# Altium PCB Hydro_USBL_PCB.PcbDoc (part 2 of 2) (continued)
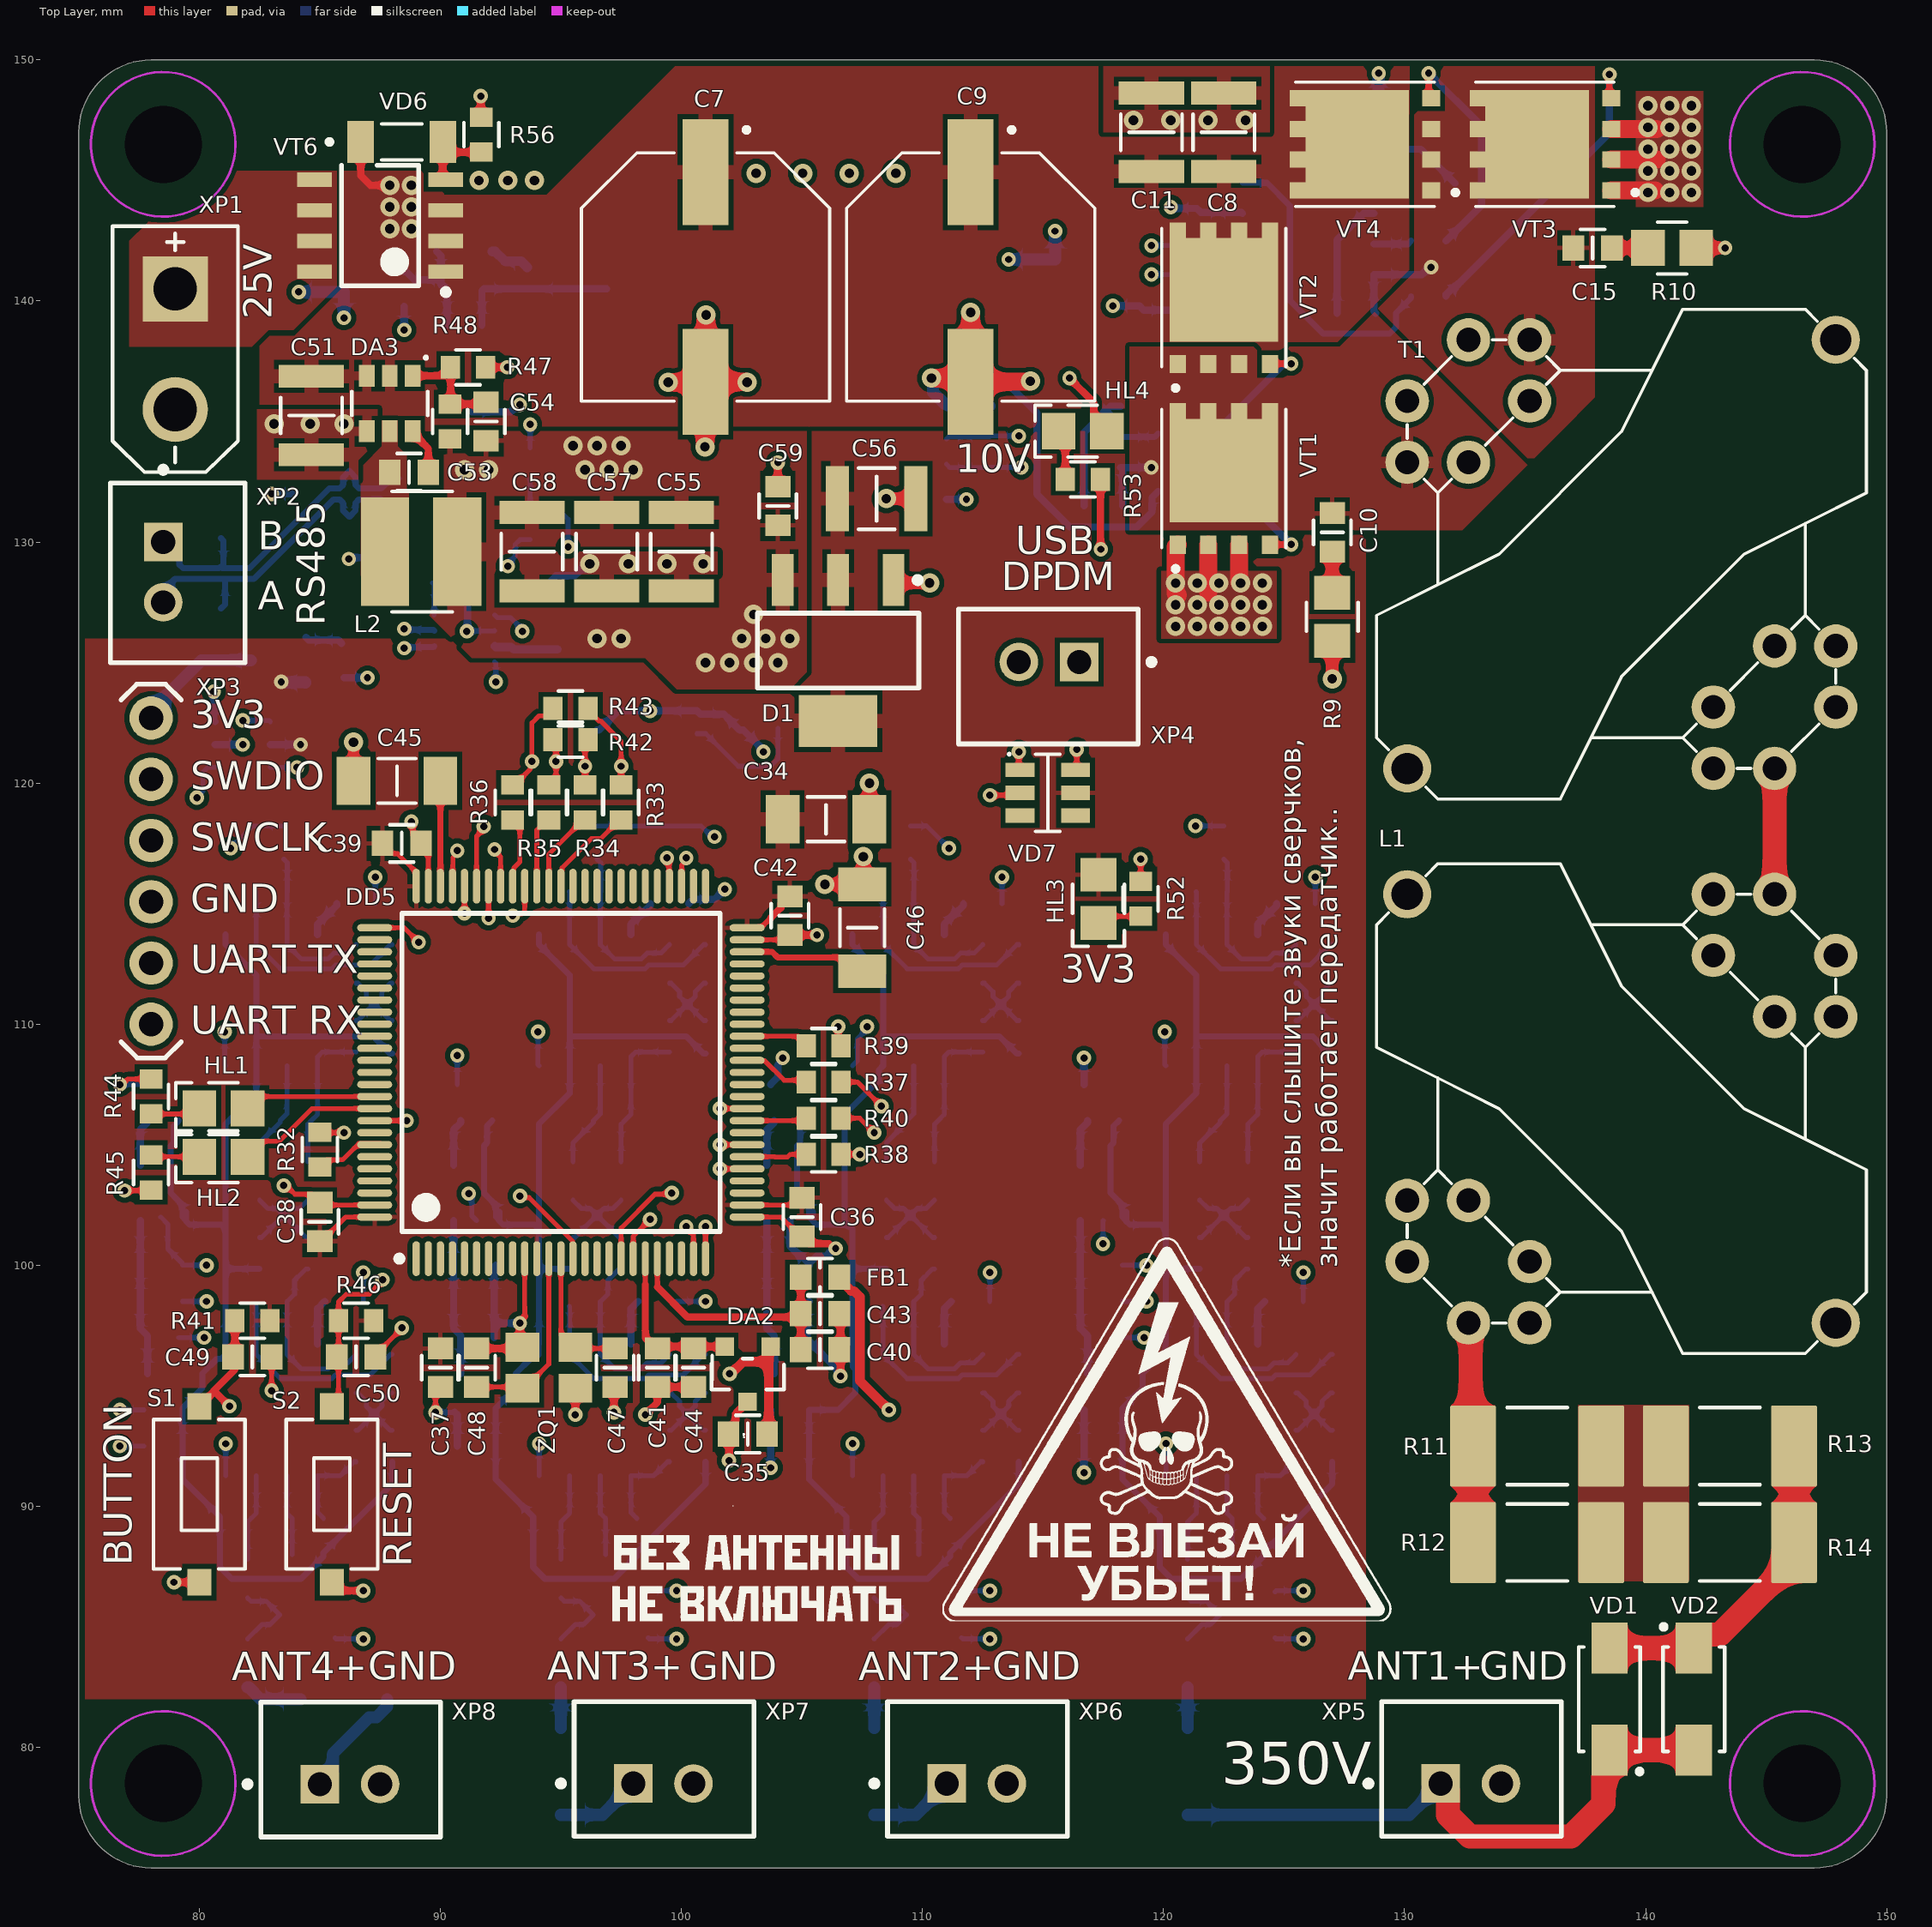
[diagram p0: Top Layer view]
## Nets (pads, with @x,y where several pads share a name; then routed paths per layer and width w, separated by ;. In a path a pad name is that pad's centre, name@x,y a point inside that pad or via, vN(x,y) a via of type N, cw(c..) or ccw(c..) an arc to the next point about the centre after c; other vN are vias at no path point) (continued)
NetC33B_2: C33B.2 DD4B.6 R30B.1 | length 8.7
  Bottom Layer w0.2: R30B.1@108.35,115.5 108.365,115.485 DD4B.6@108.365,113.725 108.365,113.3 109.365,112.3 111.495,112.3 111.645,112.45 113.075,112.45 113.925,113.3 C33B.2@114,113.3
NetC33C_2: C33C.2 DD4C.6 R30C.1 | length 8.7
  Bottom Layer w0.2: R30C.1@95.35,115.5 95.365,115.485 DD4C.6@95.365,113.725 95.365,113.3 96.365,112.3 98.495,112.3 98.645,112.45 100.075,112.45 100.925,113.3 C33C.2@101,113.3
NetC33D_2: C33D.2 DD4D.6 R30D.1 | length 8.7
  Bottom Layer w0.2: R30D.1@82.35,115.5 82.365,115.485 DD4D.6@82.365,113.725 82.365,113.3 83.365,112.3 85.495,112.3 85.645,112.45 87.075,112.45 87.925,113.3 C33D.2@88,113.3
NetC40_2: C40.2 C43.2 DD5.21 FB1.2 | length 10.7
  Top Layer w0.2: 99,99.1 DD5.21@99,100.275
  Top Layer w0.3: 99,99.1 100.25,97.85 104.8,97.85 C43.2@104.95,98 ; C40.2@104.95,96.5 104.95,97.85 C43.2@104.95,98 ; FB1.2@104.95,99.5 C43.2@104.95,98
NetC45_2: C45.2 DD5.73 | length 4.2
  Top Layer w0.25: DD5.73@90,115.725 C45.2@90,119.9
NetC46_2: C46.2 DD5.48 | length 5.1
  Top Layer w0.25: DD5.48@102.725,113 103.765,113 103.99,112.775 106.925,112.775 C46.2@107.5,112.2
NetC47_2: C47.2 DD5.13 ZQ1.1 | length 5.7
  Top Layer w0.2: DD5.13@95,100.275 95,97.1 95.5,96.6 ZQ1.1@95.6,96.6 95.65,96.55 C47.2@97.25,96.55
NetC48_2: C48.2 DD5.12 ZQ1.3 | length 7.8
  Top Layer w0.2: C48.2@91.5,94.95 93.45,94.95 93.5,94.9 94.5,95.9 DD5.12@94.5,100.275
NetC53_1: C53.1 DA3.6 | length 2
  Top Layer w0.3: DA3.6@88.85,134.6 88.85,134.472 89.023,134.3 89.075,134.3 89.5,133.875 C53.1@89.5,132.9
NetC53_2: C53.2 DA3.5 L2.1
NetC54_1: C54.1 DA3.1 R47.2 R48.1 | length 4.8
  Top Layer w0.3: DA3.1@88.85,136.9 90.15,136.9 90.425,137.175 R47.2@90.425,137.25 90.425,135.75 R48.1@90.4,135.725 91.825,135.725 C54.1@91.9,135.8
NetC61_1: C61.1 DA4.6 | length 1.7
  Bottom Layer w0.4: DA4.6@92.15,142.05 92.278,142.05 92.678,141.65 93.35,141.65 C61.1@93.6,141.4
NetC61_2: C61.2 DA4.5 L3.1
NetC62_1: C62.1 DA4.1 R50.2 R51.2 | length 5.3
  Bottom Layer w0.3: R50.2@88.5,141.225 88.575,141.225 88.925,140.875 89.9,140.875 90.2,140.575 C62.1@90.2,140.5 ; DA4.1@89.85,142.05 90.023,141.877 90.023,140.677 C62.1@90.2,140.5 ; R51.2@90.275,139 90.275,140.425 C62.1@90.2,140.5
NetDA1A_4: DA1A.4 R23A.1 | length 2
  Bottom Layer w0.3: DA1A.4@116.55,104.145 116.55,105.625 116.85,105.925 R23A.1@116.85,106
NetDA1B_4: DA1B.4 R23B.1 | length 2
  Bottom Layer w0.3: DA1B.4@103.55,104.145 103.55,105.625 103.85,105.925 R23B.1@103.85,106
NetDA1C_4: DA1C.4 R23C.1 | length 2
  Bottom Layer w0.3: DA1C.4@90.55,104.145 90.55,105.625 90.85,105.925 R23C.1@90.85,106
NetDA1D_4: DA1D.4 R23D.1 | length 2
  Bottom Layer w0.3: DA1D.4@77.55,104.145 77.55,105.625 77.85,105.925 R23D.1@77.85,106
NetDA5_3: DA5.3 R49.1 | length 5.3
  Bottom Layer w0.2: DA5.3@100.645,122.05 101.01,122.05 102.36,120.7 103.7,120.7 104,121 R49.1@104,122.275
NetDD1_3: DD1.3 R5.1 | length 1.6
  Bottom Layer w0.25: DD1.3@118.225,134.365 119.64,134.365 R5.1@119.775,134.5
NetDD1_8: DD1.8 R6.1 | length 12.5
  Bottom Layer w0.3: DD1.8@112.775,136.905 113.2,136.905 113.725,136.38 113.725,136.364 114.164,135.925 114.18,135.925 114.75,135.355 114.75,131.98 116.105,130.625 118.895,130.625 119.525,131.255 119.525,131.85 R6.1@119.775,132.1
NetDD2_3: DD2.3 R7.1 | length 1.6
  Bottom Layer w0.25: R7.1@130.14,142.365 R7.1@130.275,142.5
  Bottom Layer w0.3: DD2.3@128.725,142.365 R7.1@130.14,142.365
NetDD2_8: DD2.8 R8.1 | length 12.9
  Bottom Layer w0.25: DD2.8@123.275,144.905 124.295,144.905 125.245,143.955 125.245,140.02 126.615,138.65 129.385,138.65 129.646,138.912 129.646,139.496 130.275,140.125 R8.1@130.275,140.2
NetDD3A_1: DD3A.1 R20A.2 R22A.1 | length 3.7
  Bottom Layer w0.2: R20A.2@124.15,89.5 123.905,89.745 DD3A.1@123.905,91.275 124.85,91.275 125.425,91.85 R22A.1@125.5,91.85
NetDD3A_2: DD3A.2 R16A.2 R20A.1 | length 3.4
  Bottom Layer w0.2: DD3A.2@122.635,91.275 122.635,89.715 122.85,89.5 R16A.2@122.85,88
NetDD3B_1: DD3B.1 R20B.2 R22B.1 | length 3.7
  Bottom Layer w0.2: R20B.2@111.15,89.5 110.905,89.745 DD3B.1@110.905,91.275 111.85,91.275 112.425,91.85 R22B.1@112.5,91.85
NetDD3B_2: DD3B.2 R16B.2 R20B.1 | length 3.4
  Bottom Layer w0.2: DD3B.2@109.635,91.275 109.635,89.715 109.85,89.5 R16B.2@109.85,88
NetDD3C_1: DD3C.1 R20C.2 R22C.1 | length 3.7
  Bottom Layer w0.2: R20C.2@98.15,89.5 97.905,89.745 DD3C.1@97.905,91.275 98.85,91.275 99.425,91.85 R22C.1@99.5,91.85
NetDD3C_2: DD3C.2 R16C.2 R20C.1 | length 3.4
  Bottom Layer w0.2: DD3C.2@96.635,91.275 96.635,89.715 96.85,89.5 R16C.2@96.85,88
NetDD3D_1: DD3D.1 R20D.2 R22D.1 | length 3.7
  Bottom Layer w0.2: R20D.2@85.15,89.5 84.905,89.745 DD3D.1@84.905,91.275 85.85,91.275 86.425,91.85 R22D.1@86.5,91.85
NetDD3D_2: DD3D.2 R16D.2 R20D.1 | length 3.4
  Bottom Layer w0.2: DD3D.2@83.635,91.275 83.635,89.715 83.85,89.5 R16D.2@83.85,88
NetDD5_94: DD5.94 R32.2 | length 2.9
  Top Layer w0.2: R32.2@85,104.075 85.3,104.375 85.939,104.375 86.614,105.05 DD5.94@87.5,105.05
NetDD7_8: DD7.8 R57.2 | length 1.4
  Bottom Layer w0.2: R57.2@89.675,128.3 89.745,128.23 DD7.8@89.745,126.975
NetHL1_2: HL1.2 R44.2 | length 2.1
  Top Layer w0.2: R44.2@78,106.275 79.775,106.275 HL1.2@80,106.5
NetHL2_2: HL2.2 R45.2 | length 2
  Top Layer w0.2: R45.2@78,104.575 78.075,104.5 HL2.2@80,104.5
NetHL3_2: HL3.2 R52.2 | length 1.9
  Top Layer w0.2: HL3.2@117.3,114.2 117.575,114.475 R52.2@119.05,114.475
NetHL4_2: HL4.2 R53.2 | length 2.1
  Top Layer w0.3: HL4.2@115.65,134.6 115.925,134.325 R53.2@115.925,132.6
NetL1_3: L1.3 T1.10 | length 4.5
  Top Layer w1: T1.10@145.35,120.61 145.35,116.15 L1.3@145.4,116.1
NetL1_9: L1.9 R11.1 R12.1 | length 9.2
  Top Layer w1: L1.9@132.65,97.61 132.745,97.515 132.745,92.595 R11.1@132.84,92.5 R12.1@132.84,88.5
NetR5_2: R5.2 VT2.4 | length 6.2
  Top Layer w0.25: VT2.4@124.413,137.388 124.425,137.4 v1(125.3,137.4)
  Bottom Layer w0.3: R5.2@121.225,134.5 122.1,134.5 124.933,137.333 125.233,137.333 v1(125.3,137.4)
NetR6_2: R6.2 VT1.4 | length 5.9
  Top Layer w0.25: VT1.4@124.413,129.888 124.425,129.9 v1(125.3,129.9)
  Bottom Layer w0.3: R6.2@121.225,132.1 123.1,132.1 v1(125.3,129.9)
NetR7_2: R7.2 VT4.4 | length 9.6
  Top Layer w0.25: v1(131,149.45) 131,148.525 VT4.4@131.113,148.413
  Bottom Layer w0.3: v1(131,149.45) 133.2,147.25 ; R7.2@131.725,142.5 133.2,143.975 ; 133.2,144 133.2,147.275
NetR8_2: R8.2 VT3.4 | length 13.1
  Top Layer w0.25: v1(138.5,149.4) 138.5,148.488 VT3.4@138.575,148.413
  Bottom Layer w0.3: R8.2@131.725,140.2 131.725,140.275 131.975,140.525 132.05,140.525 138.5,146.975 v1(138.5,149.4)
NetR11_2: R11.2 R12.2 R13.1 R14.1
NetR13_2: R13.2 R14.2 VD1.1 VD2.2 | length 13.8
  Top Layer w1: VD1.1@138.5,84.115 VD2.2@142,84.115 ; VD2.2@142,84.425 142.25,84.675 143.07,84.675 146.16,87.765 R14.2@146.16,88.5 R13.2@146.16,92.5
NetR54_2: R54.2 VT5.1 | length 1.6
  Bottom Layer w0.3: VT5.1@84.425,126.05 84.538,125.938 85.763,125.938 R54.2@85.9,125.8
NetR56_2: R56.2 VD6.1 VT6.4 | length 3.1
  Top Layer w0.3: VT6.4@90.1,145 90.1,146.595 VD6.1@90.105,146.6 ; VD6.1@90.3,146.3 90.425,146.175 R56.2@91.7,146.175
NetVT5_3: VT5.3 XP3.1 | length 4.9
  Bottom Layer w0.5: XP3.1@78.1,123.1 80.098,125.098 VT5.3@82.139,125.098
NetVT6_5: VT6.5 VT6.6 VT6.7 VT6.8 XP1.P
PWM1_HI: DD1.5 R3.2 R33.2 R37.2 R43.2 | length 51.1
  Top Layer w0.2: R43.2@96.125,123.1 96.125,123.025 96.575,122.575 96.649,122.575 97.5,121.724 97.5,120.8 v1@97.4,120.7 ; R33.2@97.5,119.925 v1(97.5,120.7) ; R37.2@106.625,107.6 107.3,107.6 v1(108.3,106.6)
  Layer 1 w0.2: v1(108.3,106.6) 108.3,110.149 106.749,111.7 103.751,111.7 97.5,117.951 v1(97.5,120.7) 101.7,120.7 v1(114.1,133.1)
  Bottom Layer w0.2: R3.2@111,133.225 111.13,133.095 DD1.5@112.775,133.095 112.78,133.1 v1(114.1,133.1)
PWM1_LO: DD1.6 R1.2 R34.2 R38.2 R42.2 | length 52.7
  Top Layer w0.2: R34.2@96,119.925 v1(96,120.7) 96,121.675 R42.2@96.125,121.8 ; R38.2@106.625,104.6 v1(107.4,104.6)
  Layer 1 w0.2: v1(107.4,104.6) 107.4,104.708 107.1,105.008 107.1,110.2 106.6,110.7 103.1,110.7 96,117.8 v1(96,120.7) 96,121.3 109.1,134.4 v1(114,134.4)
  Bottom Layer w0.2: R1.2@111,134.275 111.09,134.365 DD1.6@112.775,134.365 112.81,134.4 v1(114,134.4)
PWM2_HI: DD2.5 R4.2 R35.2 R39.2 R42.1 | length 58
  Top Layer w0.2: R35.2@94.5,119.925 94.8,120.225 94.8,121.675 R42.1@94.675,121.8 ; v1(106.5,109.9) 106.5,109.225 R39.2@106.625,109.1
  Layer 1 w0.2: v1(106.5,109.9) 102.65,109.9 94.8,117.75 94.8,121.008 94.946,121.154 94.946,121.203 108.968,135.225 111.375,135.225 117.25,141.1 v1(119.5,141.1)
  Bottom Layer w0.2: v1(119.5,141.1) 121.475,141.1 R4.2@121.5,141.075 121.52,141.095 DD2.5@123.275,141.095
  other v1: 94.8,120.9
PWM2_LO: DD2.6 R2.2 R36.2 R40.2 R43.1 | length 68.7
  Top Layer w0.2: R36.2@93,119.925 93.108,120.033 93.183,120.033 93.723,120.573 93.723,120.823 v1(93.8,120.9) 93.8,122.5 94.092,122.792 94.375,122.792 94.675,123.092 R43.1@94.675,123.1 ; R40.2@106.625,106.1 107.4,106.1 v1(108,105.5)
  Layer 1 w0.2: v1(108,105.5) 108,104.351 107.649,104 107.151,104 93.8,117.351 v1(93.8,120.9) 109,136.1 111.113,136.1 117.313,142.3 v1(119.5,142.3)
  Bottom Layer w0.2: v1(119.5,142.3) 121.475,142.3 R2.2@121.5,142.275 121.59,142.365 DD2.6@123.275,142.365
RE&DE: DD5.66 DD6.2 DD6.3 | length 22.2
  Top Layer w0.2: v1(93,114.5) 93.077,114.577 93.377,114.577 93.5,114.7 DD5.66@93.5,115.725
  Layer 1 w0.2: v1(93,114.5) 93.077,114.577 93.077,115.011 93.25,115.184 93.25,118.667 93.2,118.717 93.2,122.2 95.5,124.5 95.5,129.492 95.3,129.692 v1(95.3,129.8)
  Bottom Layer w0.2: DD6.2@93.7,132.6 93.725,132.575 DD6.3@93.725,131.365 94.885,131.365 95.3,130.95 v1(95.3,129.8)
RESET_4: C50.2 DD5.14 R46.1 S2.1 | length 17.8
  Top Layer w0.2: S2.1@85.45,94.2 S2.1@85.5,94.15 85.775,94.425 85.775,96.5 R46.1@85.775,98 ; R46.1@85.775,97.7 85.775,98.475 86.1,98.8 87.049,98.8 87.6,99.351 v1(87.6,99.4) ; v1(93.301,102.875) 93.369,102.806 93.68,102.806 95.481,101.006 95.481,100.294 DD5.14@95.5,100.275
  Layer 1 w0.2: v1@87.6,99.7 90.126,99.7 v1(93.301,102.875)
RS485_6_N: DD6.6 DD7.7 R55.1 VD4.2 XP2.2 | length 30.4
  Layer 1 w0.25: XP2.2@78.5,127.5 78.242,127.758 78.242,128.354 78.07,128.525 77.652,128.525 77.325,128.198 77.325,127.013 78.113,126.225 88.23,126.225 88.405,126.4 v1(88.5,126.4)
  Bottom Layer w0.25: XP2.2@78.5,127.5 78.758,127.758 78.758,128.24 78.986,128.468 81.067,128.468 ; R55.1@80.9,127.24 81.067,127.407 81.067,128.411 81.124,128.468 82.268,128.468 85.572,131.773 85.823,131.773 85.969,131.626 85.969,131.301 VD4.2@86.225,131.045 86.481,131.301 86.481,131.626 86.627,131.773 87.167,131.773 87.17,131.775 87.529,131.775 87.675,131.629 87.675,131.54 87.85,131.365 DD6.6@88.275,131.365 ; v1(88.5,126.4) 88.538,126.363 89.708,126.363 DD7.7@89.745,126.325
RS485_6_P: DD6.7 DD7.6 R55.2 VD4.1 XP2.1 | length 31.6
  Layer 1 w0.25: XP2.1@78.5,130 77.825,129.325 77.825,129.121 77.679,128.975 77.465,128.975 76.875,128.385 76.875,126.827 77.927,125.775 88.23,125.775 88.405,125.6 v1(88.5,125.6)
  Bottom Layer w0.25: XP2.1@78.5,130 79.175,129.325 79.175,129.065 79.321,128.918 80.824,128.918 80.881,128.975 80.937,128.918 82.081,128.918 85.386,132.223 85.823,132.223 85.969,132.369 85.969,132.694 VD4.1@86.225,132.95 86.481,132.694 86.481,132.369 86.627,132.223 86.981,132.223 86.983,132.225 87.529,132.225 87.675,132.371 87.675,132.46 87.85,132.635 DD6.7@88.275,132.635 ; R55.2@80.9,130.16 81,130.06 81,128.975 ; v1(88.5,125.6) 88.537,125.638 89.708,125.638 DD7.6@89.745,125.675
SWCLOCK: DD5.76 VD5.1 XP3.3 | length 18.1
  Top Layer w0.2: DD5.76@87.275,114 88.5,114 v1(89.1,113.4)
  Layer 1 w0.2: XP3.3@78,117.62 79.295,118.915 79.307,118.915 79.792,119.4 83.1,119.4 v1(89.1,113.4)
  Bottom Layer w0.2: v1(79.9,119.4) 79.9,119.408 80.15,119.658 80.15,120.45 80.35,120.65 VD5.1@80.65,120.65
SWDIO: DD5.72 VD5.6 XP3.2 | length 17.2
  Top Layer w0.2: DD5.72@90.5,115.725 90.519,115.744 90.519,116.911 90.7,117.092 v1(90.7,117.2)
  Layer 1 w0.2: XP3.2@78,120.16 83.75,120.16 ; v1(84.05,120.65) 84.05,120.542 83.75,120.242 83.75,120.16 ; v1(90.7,117.2) 86.71,117.2 83.75,120.16
  Bottom Layer w0.2: VD5.6@82.95,120.65 v1(84.05,120.65)
TIM1_CH1_4: DD5.39 R37.1 | length 2.8
  Top Layer w0.2: DD5.39@102.725,108.5 102.744,108.481 103.456,108.481 104.261,107.675 105.1,107.675 R37.1@105.175,107.6
TIM1_CH1N_4: DD5.31 R38.1 | length 2.5
  Top Layer w0.2: DD5.31@102.725,104.5 103.871,104.5 103.879,104.493 104.404,104.493 104.511,104.6 R38.1@105.175,104.6
TIM1_CH2_4: DD5.41 R39.1 | length 2.7
  Top Layer w0.2: DD5.41@102.725,109.5 104.85,109.5 105.175,109.175 R39.1@105.175,109.1
TIM1_CH2N_4: DD5.34 R40.1 | length 2.5
  Top Layer w0.2: DD5.34@102.725,106 105.075,106 R40.1@105.175,106.1
UART1_RX: DD5.69 DD6.1 | length 24.3
  Top Layer w0.2: v1(92,114.4) DD5.69@92,115.725
  Layer 1 w0.2: v1(92,114.4) 92,114.5 92.85,115.35 92.85,118.501 92.8,118.551 92.8,122.8 94.7,124.7 94.7,129.2 93.725,130.175 v1@93.725,134.875
  Bottom Layer w0.2: DD6.1@93.725,133.905 v1(93.725,134.88)
UART1_TX: DD5.68 DD6.4 | length 16.4
  Top Layer w0.2: v1(92.25,117.25) 92.25,117.183 92.5,116.933 DD5.68@92.5,115.725
  Layer 1 w0.2: v1(92.25,117.25) 92.327,117.327 92.327,117.878 92.4,117.951 92.4,122.966 92.5,123.066 92.5,123.5 94,125 94,127.9 92.9,129 v1(92.8,129)
  Bottom Layer w0.2: v1(92.8,129) 92.8,129.108 93.1,129.408 93.1,129.895 93.3,130.095 DD6.4@93.725,130.095
UART2_RX: DD5.25 VD5.3 XP3.6 | length 48.9
  Top Layer w0.2: DD5.25@101,100.275 v1(101,101.6)
  Layer 1 w0.2: v1(80.6,123.8) 80.492,123.8 80.292,124 77.3,124 75.7,122.4 75.7,112.3 XP3.6@78,110 78.325,110.325 78.91,110.325 78.967,110.382 86.518,110.382 93.2,103.7 96.051,103.7 98.1,101.651 98.451,101.3 99.651,101.3 99.951,101 100.449,101 101,101.551 v1(101,101.6)
  Bottom Layer w0.3: v1(80.6,123.8) 80.6,122.6 VD5.3@80.65,122.55
UART2_TX: DD5.24 VD5.4 XP3.5 | length 44.2
  Top Layer w0.2: v1(100.2,101.6) 100.2,101.551 100.5,101.251 DD5.24@100.5,100.275
  Layer 1 w0.2: v1(81.8,122.6) 80.6,121.4 77.3,121.4 76.4,120.5 76.4,114.14 XP3.5@78,112.54 85.46,112.54 93,105 96.751,105 100.151,101.6 v1(100.2,101.6)
  Bottom Layer w0.2: v1(81.8,122.6) 82.9,122.6 VD5.4@82.95,122.55
USB_N: DD5.53 VD7.6 XP4.1 | length 26.2
  Top Layer w0.2: DD5.53@100,115.725 100.019,115.744 100.019,116.611 100.2,116.792 v1(100.2,116.9) ; VD7.6@116.1,120.5 116.15,120.5 116.4,120.75 v1(116.4,121.4)
  Layer 1 w0.25: v1(100.2,116.9) 100.2,116.995 100.025,117.17 100.025,117.575 100.85,118.4 114.04,118.4 115.475,119.835 115.475,121.225 ; v1(116.4,121.4) 115.65,121.4 115.475,121.225 ; XP4.1@116.5,125.025 115.825,124.35 115.621,124.35 115.475,124.204 115.475,121.225
USB_P: DD5.54 VD7.1 XP4.2 | length 26.3
  Top Layer w0.2: v1(99.4,116.9) 99.4,116.792 99.481,116.711 99.481,115.744 DD5.54@99.5,115.725 ; VD7.1@113.8,120.5 114,120.7 v1(114,121.3)
  Layer 1 w0.25: v1(99.4,116.9) 99.4,116.995 99.575,117.17 99.575,117.761 100.664,118.85 113.854,118.85 115.025,120.021 115.025,121.411 ; v1(114,121.3) 114.067,121.367 114.277,121.367 114.321,121.411 115.025,121.411 ; XP4.2@114,125.025 114.258,124.767 114.854,124.767 115.025,124.595 115.025,121.411
VDD: C34.2 C36.2 C37.2 C38.2 C39.2 C42.2 C56.2 D1.2 DD5.11 DD5.27 DD5.50 DD5.75 DD5.100 HL3.1 R41.2 R46.2 VD5.5 VD7.5 VT5.2 | length 12.1
  Top Layer w0.2: C38.2@85,101 85.075,101 86.075,102 DD5.100@87.3,102 ; C39.2@87.7,117.3 87.925,117.075 88.225,117.075 89,116.3 DD5.75@89,115.725 ; DD5.27@102.725,102.5 104.7,102.5 C36.2@105,102.8 ; DD5.50@102.725,114 103.3,114 103.7,114.4
  Top Layer w0.3: 103.7,114.4 104.125,114.825 104.125,115 104.425,115.3 C42.2@104.5,115.3
  Bottom Layer w0.3: VD5.5@82.95,121.6 v1(84.2,121.6) ; VT5.2@84.398,124.172 VT5.2@84.425,124.145
  Bottom Layer w0.5: v1(83.4,124.2) 83.419,124.181 84.389,124.181 VT5.2@84.398,124.172
VDDA: C23A.2 C23B.2 C23C.2 C23D.2 C24A.2 C24B.2 C24C.2 C24D.2 C31A.2 C31B.2 C31C.2 C31D.2 C35.2 C63.2 DA1A.5 DA1B.5 DA1C.5 DA1D.5 DA2.1 DA5.5 DD3A.8 DD3B.8 DD3C.8 DD3D.8 DD4A.8 DD4B.8 DD4C.8 DD4D.8 FB1.1 R18A.2 R18B.2 R18C.2 R18D.2 | length 26
  Top Layer w0.4: v1(102,95.5) 102.054,95.5 102.554,96 103.625,96 ; C35.2@103.55,93 103.625,93.075 103.625,94.4 103.625,96 ; DA2.1@103.7,96.625 103.625,96.55 103.625,96 ; FB1.1@106.55,99.5 106.55,99.425 107.05,98.925 107.166,98.925 107.4,98.691 107.4,95.21 v1(108.61,94)
  Bottom Layer w0.3: DD3D.8@84.905,96.725 84.905,98.205 C24D.2@85.2,98.5 ; DD4D.8@84.905,113.725 84.905,114.15 85.38,114.625 85.4,114.625 85.7,114.925 C31D.2@85.7,115 ; DD3C.8@97.905,96.725 97.905,98.205 C24C.2@98.2,98.5 ; DD4C.8@97.905,113.725 97.905,114.15 98.38,114.625 98.4,114.625 98.7,114.925 C31C.2@98.7,115 ; DD3B.8@110.905,96.725 110.905,98.205 C24B.2@111.2,98.5 ; DD4B.8@110.905,113.725 110.905,114.15 111.38,114.625 111.4,114.625 111.7,114.925 C31B.2@111.7,115 ; DD3A.8@123.905,96.725 123.905,98.205 C24A.2@124.2,98.5 ; DD4A.8@123.905,113.725 123.905,114.15 124.38,114.625 124.4,114.625 124.7,114.925 C31A.2@124.7,115
VREF_MCU: C41.2 C44.2 DA2.2 DD5.20 | length 6.8
  Top Layer w0.2: 98.5,99.2 DD5.20@98.5,100.275
  Top Layer w0.3: 98.5,99.2 98.5,96.975 98.925,96.55 C41.2@99,96.55 99.075,96.625 DA2.2@101.795,96.625
VREFAA: C27A.2 C28A.2 DA1A.1 DD3A.5 DD4A.3 DD4A.5 R16A.1 R17A.1 R21A.2 R23A.2 R26A.1 R28A.1 | length 52.8
  Bottom Layer w0.25: R23A.2@118.15,106 117.93,105.78 117.93,105.075 117.805,104.95 117.805,103 118.102,102.702 118.102,102.698 118.305,102.495 DA1A.1@118.305,102.22 ; DA1A.1@118.305,102.15 118.305,102 DA1A.1@118.45,101.855 ; DA1A.1@118.45,102.22 DA1A.1@118.45,101.855 ; DD3A.5@120.07,96.7 120.07,96.275 119.92,96.125 119.741,96.125 119.133,95.517 119.133,94.908 118.3,94.075 C27A.2@118.3,94 C28A.2@118.3,92.5 118.3,91.125 119.85,89.575 119.85,87.48 120.33,87 123.225,87 124.15,87.925 124.15,88.075 127,90.925 R21A.2@127,91.85 ; DD3A.5@120.095,96.725 120.095,99.85 ; DD4A.5@120.095,113.725 120.095,113.3 121.365,112.03 121.365,109.6 ; R26A.1@121.5,99.85 120.095,99.85 ; R28A.1@127,108.775 126.925,108.775 126.2,109.5 121.465,109.5 121.365,109.6 ; DA1A.1@118.45,101.855 118.45,101.826 118.595,101.681 119.914,101.681 120.095,101.5 ; 120.095,99.85 120.095,101.5 ; 120.095,101.5 120.095,105.865 121.365,107.135 DD4A.3@121.365,108.275 121.365,109.5 121.365,109.6
VREFAB: C27B.2 C28B.2 DA1B.1 DD3B.5 DD4B.3 DD4B.5 R16B.1 R17B.1 R21B.2 R23B.2 R26B.1 R28B.1 | length 53.5
  Bottom Layer w0.25: R23B.2@105.15,106 104.93,105.78 104.93,105.075 104.805,104.95 104.805,103 105.102,102.702 105.102,102.698 105.305,102.495 DA1B.1@105.305,102.22 ; DA1B.1@105.305,102.15 105.305,102 DA1B.1@105.45,101.855 ; DA1B.1@105.45,102.22 DA1B.1@105.45,101.855 ; 106.914,101.681 105.595,101.681 105.45,101.826 DA1B.1@105.45,101.855 ; DD4B.5@107.095,113.725 107.095,113.3 108.365,112.03 108.365,109.6 ; R26B.1@108.5,99.85 107.095,99.85 ; R21B.2@114,91.85 114,90.925 111.15,88.075 111.15,87.925 110.225,87 107.33,87 106.85,87.48 106.85,89.575 105.3,91.125 C28B.2@105.3,92.5 C27B.2@105.3,94 106.5,94 107.225,94.725 107.225,95.659 107.129,95.755 107.129,96.691 DD3B.5@107.095,96.725 107.095,99.85 ; R28B.1@114,108.775 113.925,108.775 113.2,109.5 108.465,109.5 108.365,109.6 ; 107.095,99.85 107.095,101.5 106.775,101.82 106.775,106.259 108.19,107.674 108.19,108.1 DD4B.3@108.365,108.275 108.365,109.5 108.365,109.6
VREFAC: C27C.2 C28C.2 DA1C.1 DD3C.5 DD4C.3 DD4C.5 R16C.1 R17C.1 R21C.2 R23C.2 R26C.1 R28C.1 | length 52.8
  Bottom Layer w0.25: R23C.2@92.15,106 91.93,105.78 91.93,105.075 91.805,104.95 91.805,103 92.102,102.702 92.102,102.698 92.305,102.495 DA1C.1@92.305,102.22 ; DA1C.1@92.305,102.15 92.305,102 DA1C.1@92.45,101.855 ; DA1C.1@92.45,102.22 DA1C.1@92.45,101.855 ; DD3C.5@94.07,96.7 94.07,96.275 93.92,96.125 93.741,96.125 93.133,95.517 93.133,94.908 92.3,94.075 C27C.2@92.3,94 C28C.2@92.3,92.5 92.3,91.125 93.85,89.575 93.85,87.48 94.33,87 97.225,87 98.15,87.925 98.15,88.075 101,90.925 R21C.2@101,91.85 ; DD3C.5@94.095,96.725 94.095,99.85 ; DD4C.5@94.095,113.725 94.095,113.3 95.365,112.03 95.365,109.6 ; R26C.1@95.5,99.85 94.095,99.85 ; R28C.1@101,108.775 100.925,108.775 100.2,109.5 95.465,109.5 95.365,109.6 ; DA1C.1@92.45,101.855 92.45,101.826 92.595,101.681 93.914,101.681 94.095,101.5 ; 94.095,99.85 94.095,101.5 ; 94.095,101.5 94.095,105.865 95.365,107.135 DD4C.3@95.365,108.275 95.365,109.6
VREFAD: C27D.2 C28D.2 DA1D.1 DD3D.5 DD4D.3 DD4D.5 R16D.1 R17D.1 R21D.2 R23D.2 R26D.1 R28D.1 | length 52.8
  Bottom Layer w0.25: R23D.2@79.15,106 78.93,105.78 78.93,105.075 78.805,104.95 78.805,103 79.102,102.702 79.102,102.698 79.305,102.495 DA1D.1@79.305,102.22 ; DA1D.1@79.305,102.15 79.305,102 DA1D.1@79.45,101.855 ; DA1D.1@79.45,102.22 DA1D.1@79.45,101.855 ; DD3D.5@81.07,96.7 81.07,96.275 80.92,96.125 80.741,96.125 80.133,95.517 80.133,94.908 79.3,94.075 C27D.2@79.3,94 C28D.2@79.3,92.5 79.3,91.125 80.85,89.575 80.85,87.48 81.33,87 84.225,87 85.15,87.925 85.15,88.075 88,90.925 R21D.2@88,91.85 ; DD3D.5@81.095,96.725 81.095,99.85 ; DD4D.5@81.095,113.725 81.095,113.3 82.365,112.03 82.365,109.6 ; R26D.1@82.5,99.85 81.095,99.85 ; R28D.1@88,108.775 87.925,108.775 87.2,109.5 82.465,109.5 82.365,109.6 ; DA1D.1@79.45,101.855 79.45,101.826 79.595,101.681 80.914,101.681 81.095,101.5 ; 81.095,99.85 81.095,101.5 ; 81.095,101.5 81.095,105.865 82.365,107.135 DD4D.3@82.365,108.275 82.365,109.6
pads on no net: DA5.4 DD5.1 DD5.2 DD5.3 DD5.4 DD5.5 DD5.6 DD5.7 DD5.8 DD5.9 DD5.15 DD5.16 DD5.17 DD5.22 DD5.23 DD5.28 DD5.29 DD5.33 DD5.36 DD5.37 DD5.38 DD5.40 DD5.42 DD5.43 DD5.44 DD5.45 DD5.46 DD5.47 DD5.51 DD5.52 DD5.55 DD5.56 DD5.57 DD5.58 DD5.59 DD5.60 DD5.61 DD5.62 DD5.77 DD5.78 DD5.79 DD5.80 DD5.81 DD5.82 DD5.83 DD5.84 DD5.85 DD5.86 DD5.87 DD5.88 DD5.89 DD5.93 DD5.95 DD5.96 DD5.97 DD5.98 DD7.5 L1.1 L1.2 L1.4 L1.5 L1.6 L1.7 L1.8 L1.10 L1.11 L1.12 L1.G1 L1.G2 T1.1 T1.3 T1.4 T1.6 T1.8 T1.9 T1.11 T1.12 T1.G1 T1.G2 VD7.3 VD7.4

## Polygon pours and split planes (outlines as drawn)
VDD on Top Layer "VDD_L01_P044" (solid, pour order 44): 128.4,134.6 105.4,134.6 105.4,124.6 104.9,124.1 104.9,123.8 99.8,123.8 98.6,125 91.4,125 90.4,126 75.011,126 75.05,123.55 75,123.5 75,82 128.4,82
+24В on Top Layer "+24В_L01_P050" (solid, pour order 50): 83.95,138.55 82.775,138.55 82.5,138.275 82.5,134.6 123.6,134.6 130.2,141.2 130.2,149.9 124.4,149.9 124.4,147 117.5,147 117.5,150 100,150 94.4,144.4 90.15,144.4 90.15,144.45 89.2,145.4 85.9,145.4 85.9,140.5
+5В on Top Layer "+5В_L01_P043" (solid, pour order 43): 91.3,125.2 98.5,125.2 99.8,123.9 104.5,123.9 105.2,124.6 105.2,134.6 89.7,134.6 89.7,132.2 89.4,131.9 89.4,127.1
NetC6_2 on Top Layer "NETC6_2_L01_P033" (solid, pour order 33): 136.4,134.5 137.9,136 137.9,149.745 130.4,149.745 130.4,141.2 128.75,139.55 130.2,138.1 135.1,133.2
NetC5_2 on Top Layer "NETC5_2_L01_P031" (solid, pour order 31): 130,138.3 128.75,139.55 127.3,138.1 118.6,138.1 118.6,130.5 132.4,130.5 135.1,133.2
GND on Top Layer "GND_L01_P042" (solid, pour order 42): 92.4,127.4 101.5,127.4 101.5,129.6 92.4,129.6
GND on Top Layer "GND_L01_P035" (solid, pour order 35): 139.6,143.9 142.4,143.9 142.4,148.7 139.6,148.7
GND on Top Layer "GND_L01_P030" (solid, pour order 30): 82.4,132.6 86.6,132.6 86.6,133.4 87.4,134.2 87.4,135.5 82.4,135.5
GND on Top Layer "GND_L01_P034" (solid, pour order 34): 119.9,128.8 119.9,126 124.7,126 124.7,128.8
GND on Top Layer "GND_L01_P038" (solid, pour order 38): 117.5,150 124.4,150 124.4,147 117.5,147
NetVT6_5 on Top Layer "NETVT6_5_L01_P037" (solid, remove dead copper, pour order 37): 82.175,138.1 82.868,138.793 83.906,138.806 85.7,140.6 85.7,145.4 80,145.4 77.8,143.2 77.1,142.5 77.1,138.1
NetC53_2 on Top Layer "NETC53_2_L01_P041" (solid, pour order 41): 87.575,135.05 88.225,135.05 88.225,133.975 88.6,133.6 88.6,132.125 88.7,132.025 88.7,128.6 86.7,128.6 86.7,133.1 87.575,133.975
NetR11_2 on Top Layer "NETR11_2_L01_P040" (solid, pour order 40): 137.2,94.2 141.8,94.2 141.8,86.8 141.7,86.9 137.2,86.9
VDDA on Bottom Layer "VDDA_L04_P049" (solid, remove dead copper, pour order 49): 94.1,123.8 93.5,123.2 87.6,123.2 84.1,119.7 81.4,119.7 79.8,118.1 79.8,108.8 75,108.8 75,78.2 78.2,75 128.6,75 128.6,119.2 127.1,120.7 99.5,120.7 99.5,124 98.8,124.7 95.8,124.7 95,124.704
+10В on Bottom Layer "+10В_L04_P048" (solid, remove dead copper, pour order 48): 108.5,129.1 103.5,129.1 94.7,137.9 94.7,149.4 132.95,149.4 132.95,140.65 128.4,136.1 128.4,129.1
+5В on Bottom Layer "+5В_L04_P039" (solid, remove dead copper, pour order 39): 94.9,124.9 93.1,123.1 75,123.1 75,137.8 94.6,137.8 105.6,126.8 105.6,123.1 101.8,123.1 101.4,123.5 101.4,123.6 100.1,123.6 98.8,124.9
GND on Bottom Layer "GND_L04_P047" (solid, pour order 47): 90.8,145.5 90.8,143.3 92.6,143.3 92.8,143.5 94.45,143.5 94.45,145.5
GND on Bottom Layer "GND_L04_P046" (solid, pour order 46): 99.5,143.2 109.4,143.2 109.4,145.8 99.5,145.8
NetC61_2 on Bottom Layer "NETC61_2_L04_P045" (solid, pour order 45): 94.65,144.15 94.65,144.5 95,144.5 99.15,144.5 99.15,142.3 93,142.3 92.6,142.7 91.7,142.7 91.7,143.3 92.9,143.3 93.1,143.5 94,143.5
+24В on Bottom Layer "+24В_L04_P036" (solid, pour order 36): 84,142.6 90.9,142.6 90.9,145.5 84,145.5
GND on Layer 2 "GND_L03_P032" (solid, remove dead copper, pour order 32): 150,75 150,123.4 150,147 ccw(c147,147) 147,150 78,150 ccw(c78,147) 75,147 75,78 ccw(c78,78) 78,75
GND on Layer 1 "GND_L02_P051" (solid, remove dead copper, pour order 51): 150,131.6 128.2,131.6 127.9,131.6 127.9,131.5 127.9,75 78,75 cw(c78,78) 75,78 75,147 cw(c78,147) 78,150 147,150 cw(c147,147) 150,147

## Keep-outs
Layer 2:
  rectangle: 105.4,75.1 112.7,81.5
  rectangle: 92.4,75.1 99.7,81.5
  rectangle: 79.4,75.075 86.7,81.475
  rectangle: 119,77.7 129.8,80
  rectangle: 141.6,113.5 147.4,122.6
  rectangle: 130.8,85.6 136.5,99.3
  rectangle: 136.5,77.7 150,94.3
  region: 143.4,75.3 143.4,77.7 119,77.7 119,75.3
Keep-Out Layer:
  circle w0.1: c78.5,78.5 r3
  circle w0.1: c146.5,78.5 r3
  circle w0.1: c146.5,146.5 r3
  circle w0.1: c78.5,146.5 r3

## Silkscreen, mask and mechanical layers (free items; w line width, h text height)
Top Overlay:
  drawing of 48 lines, arcs and shapes, not listed
  text "25V" at 83.392,139.239 h2 r90
  text "10V" at 111.37,132.505 h2
  text "B" at 82.429,129.308 h2
  text "USB" at 113.868,129.108 h2
  text "DP" at 113.271,127.608 h2
  text "DM" at 115.372,127.608 h2
  text "A" at 82.43,126.808 h2
  text "RS485" at 85.592,126.522 h2 r90
  text "3V3" at 79.646,121.88 h2
  text "SWDIO" at 79.646,119.34 h2
  text "SWCLK" at 79.646,116.8 h2
  text "GND" at 79.646,114.26 h2
  text "UART TX" at 79.646,111.735 h2
  text "3V3" at 115.732,111.332 h2
  text "UART RX" at 79.646,109.195 h2
  text "*Если вы слышите звуки сверчков,  / значит работает передатчик.." at 127.5,99.9 h1.5 r90
  text "BUTTON" at 77.592,87.533 h2 r90
  text "RESET" at 89.192,87.474 h2 r90
  text "ANT4+" at 81.343,82.393 h2
  text "GND" at 87.001,82.408 h2
  text "ANT3+" at 94.443,82.408 h2
  text "GND" at 100.301,82.408 h2
  text "ANT2+" at 107.343,82.393 h2
  text "GND" at 112.901,82.408 h2
  text "ANT1+" at 127.643,82.408 h2
  text "GND" at 133.101,82.408 h2
  text "350V" at 122.391,77.9 h3
Bottom Overlay:
  drawing of 137 lines, arcs and shapes, not listed
  text "Hydronautics team / BMSTU 2026" at 140,121.8 h3
  text "HYDRO USBL V1.0" at 148.009,105.908 h2.5
  text "Developed by / Gleb M." at 148.3,100.7 h2.5
Shape:
  the board outline again, w0.254